# KiCad board panel2.kicad_pcb (continued)
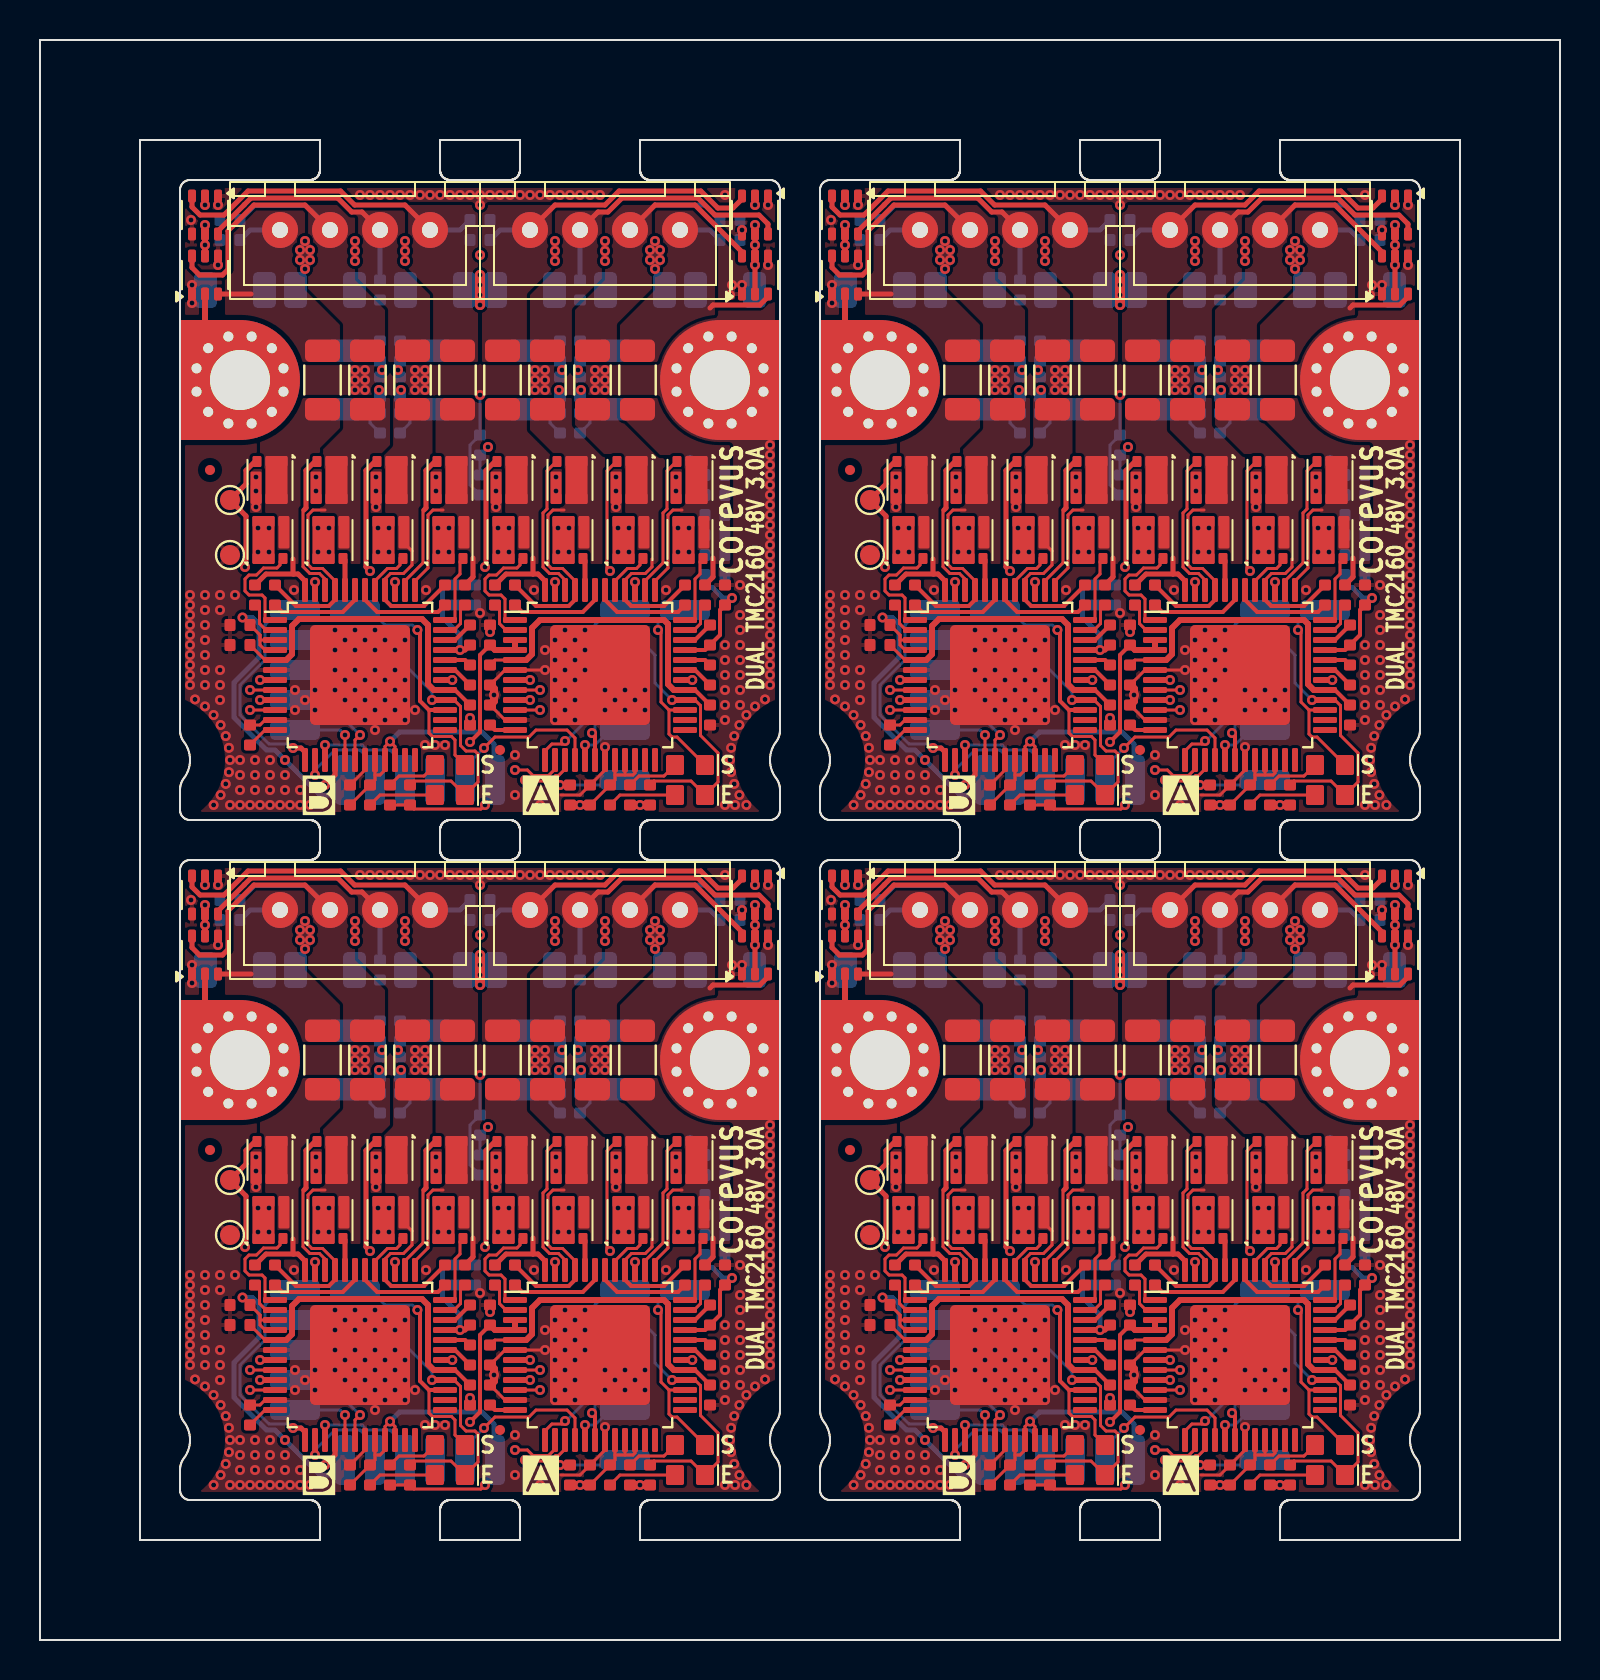
[diagram p0: board, top side]
## Routing (per net, layer and track width the routed paths; a pad name or vN(x,y) marks a point on that pad's centre or on a via; arc(x,y) is an arc through that point) (continued)
Board_2-/_{MB}LA1: length 7.2
  Top w0.25: 16.75,24.92 16.3,24.48 16.3,19.65 v1(16.5,19.45)
  In2.Cu w0.25: v1(16.5,19.45) 17.05,18.9 v1(17.75,18.9)
Board_2-/_{MB}LA2: length 6.6
  Top w0.15: 18.25,18.96 19.15,19.86 19.15,22.5
  Top w0.25: 19.75,24.92 19.3,24.48 19.3,22.6 19.2,22.5
Board_2-/_{MB}LB1: length 10.8
  Top w0.25: v1(10.25,19.65) 10.3,19.7 10.3,22.2 TP5#3.1 10.3,23.8 10.3,24.48 10.75,24.93
  In2.Cu w0.25: v1(13.75,18.9) 13.75,18.75 12.95,17.95 11.95,17.95 v1(10.25,19.65)
Board_2-/_{MB}LB2: length 7.4
  Top w0.15: U2#3.46 14.25,19.05 13.97,19.33 13.49,19.33 13.15,19.67 13.15,22.5
  Top w0.25: 13.2,22.5 13.3,22.6 13.3,24.48 13.75,24.92
Board_2-/_{MB}SRAH: length 20.8
  Top w0.15: v1(10.5,13.5) U2#3.8
  In2.Cu w0.15: v1(18.05,28.5) 17.88,28.33 17.88,26.72 16,24.84 16,20.12 15.75,19.5 15.75,18.1 11.15,13.5 v1(10.5,13.5)
  Bottom w0.3: C41#3.2 R19#3.2
  Bottom w0.4: v1(18.05,28.5) 18.05,28.2
Board_2-/_{MB}SRAL: length 19.4
  In2.Cu w0.15: v1(11,14) 11.29,14 15.5,18.21 15.5,19.62 15.75,20.25 15.75,24.95 17.62,26.82 17.62,29.22 v1(17.9,29.5)
  Bottom w0.4: C41#3.1 17.9,29.25 v1(17.9,29.5) 17.9,29.85 R21#3.2
Board_2-/_{MB}SRBH: length 22.9
  In2.Cu w0.15: v1(11,13) 11,12.25 10.75,12 10.25,12 9.75,12.5 9.75,13.85 10.65,14.75 11.34,14.75 15,18.41 15,19.88 15.25,20.5 15.25,25.15 17.12,27.03 17.12,28.33 v1(16.95,28.5)
  Bottom w0.3: C33.2 R14.2
  Bottom w0.4: v1(16.95,28.5) 16.95,28.2
Board_2-/_{MB}SRBL: length 22.9
  Top w0.15: v1(10.5,12.5) U2#3.10
  In2.Cu w0.15: v1(17.1,29.5) 17.38,29.22 17.38,26.93 15.5,25.05 15.5,20.38 15.25,19.75 15.25,18.31 11.44,14.5 10.75,14.5 10,13.75 10,13 v1(10.5,12.5)
  Bottom w0.4: C33.1 17.1,29.25 v1(17.1,29.5) 17.1,29.85 R15#3.2
Board_2-/_{MB}Stall: length 11.9
  Top w0.15: 19.45,12.5 19.45,11.34 19.62,11.17 20.57,11.17 20.75,11 20.75,10.25 D6.1
  Top w0.2: v1(18.87,16.5) 19,16.37 19,12.95 19.45,12.5 U2#3.27
  Bottom w0.15: v1(18.87,16.5) 18.62,16.75 17.25,16.75 16.5,17.5
Board_2-/_{MB}Step: length 3.9
  Top w0.15: v1(15.25,11.25) U2#3.17
  Bottom w0.15: T15#2.1 15,11.5 v1(15.25,11.25)
Board_2-/_{MB}~{CS}: length 10.1
  Top w0.25: 13.25,10.4 13.05,10.6 v1(12.65,10.6)
  Bottom w0.15: 12,17.5 11.25,16.75 11.25,15 10,13.75 10,12.25 11.45,10.8 12.45,10.8 v1(12.65,10.6)
Board_2-/_{MB}~{En}: length 17.1
  Top w0.15: 20.71,13 21.03,12.68 21.03,10.72 21.3,10.45 21.75,10.45 21.9,10.3 21.9,8.9 D5#3.1 20.55,8.95 18.7,8.95 R4#4.2 ; U2#3.28 v1(19.6,13)
  Bottom w0.15: v1(19.6,13) 19.6,13.4 18,15 14.5,15 13.5,16
Board_2-/SCK: length 18.3
  Top w0.15: 25.75,9.54 25.43,9.22 24.64,9.22 24.37,9.5 v1(23.75,9.5)
  Top w0.25: v1(13.75,9.25) U2#3.14
  In2.Cu w0.15: v1(23.75,9.5) 23.25,9 21.25,9 20.5,8.25 14.1,8.25 13.75,8.6 v1(13.75,9.25)
  Bottom w0.15: 16.75,9.75 16,10.5 14.75,10.5 13.75,9.5 v1(13.75,9.25)
Board_2-/SDI: length 21.6
  Top w0.15: 26.25,9.54 25.93,9.22 25.78,9.22 25.51,8.95 24.3,8.95 v1(24.25,9)
  Top w0.25: v1(14.25,10.75) U2#3.15
  In2.Cu w0.15: v1(14.25,10.75) 13.25,9.75 13.25,9.15 13.5,8.9 13.5,8.5 14,8 20.6,8 21.35,8.75 23.35,8.75 23.6,9 v1(24.25,9)
  Bottom w0.15: 18.25,9.75 17.5,10.5 16.35,10.5 16.1,10.75 v1(14.25,10.75)
Board_2-/SDO: length 18.1
  Top w0.15: v1(22.2,10.6) 22.75,11.15 24.45,11.15 24.8,11.5 26.35,11.5 26.75,11.1 U1#3.16
  Top w0.25: v1(14.25,8.75) 14.75,9.25 U2#3.16
  In2.Cu w0.15: v1(22.2,10.6) 22.2,10.3 20.4,8.5 14.5,8.5 v1(14.25,8.75)
  Bottom w0.15: v1(22.2,10.6) 21.25,9.65
Board_2-/THERM: length 24.2
  Top w0.15: v1(26,8.75) R20#2.1
  In2.Cu w0.25: v1(22.4,25.65) 21.5,24.75 21.5,13.25 v1(26,8.75)
  Bottom w0.15: v1(26,8.75) 29,8.75 ; TH1.1 C13.1 v1(22.4,25.65)
Board_2-GND: length 73.1
  Top w0.15: C25#4.1 v1(21.5,12.1) ; 23.25,14.5 C4#4.1 ; 23.25,12 R3#4.2 ; R5#3.2 11,11.75 11.25,12 ; v1(25.25,14.5) 25.25,14.5 U1#3.6 ; C26#3.1 16.25,9.5 ; 28.25,9.5 C3#4.1 27,8.25 26.05,8.25
  Top w0.25: v1(8.9,34.75) D8#2.4 ; U1#3.19 28.25,10.65 v1(28.25,10.65)
  Top w0.3: v1(8.9,37.75) D7#2.1
  Top w0.4: C4#4.1 22.7,13.55 22.7,12.95 R3#4.2
  In2.Cu w0.1: 14.55,19.5 14.95,20.5 14.95,20.55 ; 16.05,19.5 16.25,20 ; 26.55,19.5 26.95,20.5 ; 28.05,19.5 28.25,20
  In2.Cu w0.15: v1(16.25,28.5) 16.88,27.88 16.88,27.13 15,25.26 15,20.6 14.95,20.55 ; 16.25,20 16.25,24.74 18.12,26.62 18.12,27.88 v1(18.75,28.5) ; v1(25.25,29.5) 25.75,30 27.25,30 v1(27.75,29.5) ; v1(27.75,28.5) 27.12,27.88 27.12,26.58 28.25,25.46 28.25,20 ; 26.95,20.5 27,20.55 27,24.94 25.88,26.06 25.88,27.88 v1(25.25,28.5) ; v1(16.25,29.5) 16.75,30 18.25,30 v1(18.75,29.5)
  In2.Cu w0.5: v1(36.5,19.25) v1(36.5,25.75) 36.5,26.5 H2.1
  Bottom w0.15: TH1.2 21.5,23.75 21.5,25.75 C13.2 v1(22,28.25)
  vias: v1(7.55,37) v1(7.5,18.25) v1(7.5,17.75) v1(7.5,17.25) v1(7.5,16.75) v1(7.5,16.25) v1(7.5,15.75) v1(7.5,15.25) v1(7.5,14.75) v1(7.5,14.25) v1(7.5,13.75) v1(7.6,33.75) v1(7.6,32.85) v1(7.75,13.03) v1(8.25,12.68) v1(8.25,18.25) v1(8.25,17.5) v1(8.25,16.75) v1(8.25,16) v1(8.25,15.25) v1(8.25,14.5) v1(8.25,13.75) v1(8.68,12.25) v1(8.68,7.75) v1(9,18.25) v1(9,17.5) v1(9,14.5) v1(9,13.75) v1(9,13) v1(9.03,11.75) v1(9.03,8.25) v1(9.29,11.2) v1(9.29,8.8) v1(9.45,10.61) v1(9.45,9.39) v1(9.5,10) v1(9.5,7.75) v1(9.75,18.25) v1(10,10) v1(10,9.25) v1(10,8.5) v1(10,7.75) v1(10.5,7.75) v1(10.75,10) v1(10.75,9.25) v1(10.75,8.5) v1(11,7.75) v1(11.5,10) v1(11.5,9.25) v1(11.5,8.5) v1(11.5,7.75) v1(12,7.75) v1(12.25,9.25) v1(12.25,8.5) v1(12.5,7.75) v1(12.7,18.5) v1(12.75,13.5) v1(12.75,12.5) v1(13,8.5) v1(13,7.75) v1(13.25,13) v1(13.5,7.75) v1(13.75,13.5) v1(13.75,12.5) v1(14.75,16.5) v1(14.75,15.5) v1(14.75,14.5) v1(14.75,13.5) v1(15.25,16) v1(15.25,14) v1(15.25,13) v1(15.75,35.95) v1(15.75,35.45) v1(15.75,34.95) v1(15.75,29.5) v1(15.75,29) v1(15.75,28.5) v1(15.75,16.5) v1(15.75,15.5) v1(15.75,14.5) v1(15.75,13.5) v1(15.75,12.5) v1(16,38.25) v1(16.25,29) v1(16.25,16) v1(16.25,14) v1(16.25,13) v1(16.25,12) v1(16.5,38.25) v1(16.75,16.5) v1(16.75,15.5) v1(16.75,14.5) v1(16.75,13.5) v1(16.75,12.5) v1(16.75,11.5) v1(17,38.25) v1(17.25,16) v1(17.25,14) v1(17.25,13) v1(17.25,12) v1(17.5,38.25) v1(17.75,15.5) v1(17.75,14.5) v1(17.75,13.5) v1(17.75,12.5) v1(18,38.25) v1(18.25,35.95) v1(18.25,35.45) v1(18.25,34.95) v1(18.25,16) v1(18.25,14) v1(18.25,13) v1(18.25,12) v1(18.5,38.25) v1(18.75,29) v1(18.75,12.5) v1(19,38.25) v1(19.25,29.5) v1(19.25,29) v1(19.25,28.5) v1(19.3,18.5) v1(19.25,10.75) v1(19.5,38.25) v1(19.75,10.75) v1(20,38.25) v1(20.25,10.75) v1(20.5,38.25) v1(20.61,14) v1(21,38.25) v1(21.5,38.25) v1(22,38.25) v1(22,37.75) v1(22,35.25) v1(22,17.35) v1(22.5,38.25) v1(22.5,16.4) v1(22.7,13.25) v1(23,38.25) v1(23.5,38.25) v1(23.75,10.25) v1(23.75,8.25) v1(24,38.25) v1(24.5,38.25) v1(24.75,29.5) v1(24.75,29) v1(24.75,28.5) v1(24.7,18.5) v1(25,38.25) v1(25,7.75) v1(25.25,29) v1(25.25,15.5) v1(25.5,38.25) v1(25.75,35.95) v1(25.75,35.45) v1(25.75,34.95) v1(25.75,16) v1(25.75,15) v1(25.75,14) v1(25.75,13) v1(25.75,12) v1(26,38.25) v1(26.25,16.5) v1(26.25,15.5) v1(26.25,14.5) v1(26.25,13.5) v1(26.25,12.5) v1(26.5,38.25) v1(26.75,16) v1(26.75,15) v1(26.75,14) v1(26.75,13) v1(26.75,12) v1(27,38.25) v1(27.25,16.5) v1(27.25,15.5) v1(27.25,14.5) v1(27.5,38.25) v1(27.75,29) v1(28,38.25) v1(28.25,35.95) v1(28.25,35.45) v1(28.25,34.95) v1(28.25,29.5) v1(28.25,29) v1(28.25,28.5) v1(28.25,13.5) v1(28.25,12.5) v1(28.75,13) v1(29.25,13.5) v1(29.25,12.5) v1(29.75,13) v1(30.25,13.5) v1(30.25,12.5) v1(31.3,18.5) v1(32.61,14) v1(34.25,38.25) v1(34.25,15.75) v1(34.25,15) v1(34.25,14.25) v1(34.25,13.5) v1(34.25,12.75) v1(34.25,12) v1(34.25,7.75) v1(34.5,33.25) v1(34.5,10) v1(34.6,33.75) v1(34.55,10.61) v1(34.55,9.39) v1(34.71,11.2) v1(34.71,8.8) v1(34.75,7.75) v1(35,18.75) v1(35,17.25) v1(35,16.5) v1(35,15.75) v1(35,15) v1(35,14.25) v1(35,13.5) v1(35,12.75) v1(34.97,11.75) v1(34.97,8.25) v1(35.1,36.5) v1(35.1,33.75) v1(35.32,12.25) v1(35.32,7.75) v1(35.75,12.68) v1(36.25,13.03) v1(36.4,37.75) v1(36.4,34.75) v1(36.5,25.25) v1(36.5,24.75) v1(36.5,24.25) v1(36.5,23.75) v1(36.5,23.25) v1(36.5,22.75) v1(36.5,22.25) v1(36.5,21.75) v1(36.5,21.25) v1(36.5,20.75) v1(36.5,20.25) v1(36.5,19.75) v1(36.5,18.75) v1(36.5,18.25) v1(36.5,17.75) v1(36.5,17.25) v1(36.5,16.75) v1(36.5,16.25) v1(36.5,15.75) v1(36.5,15.25) v1(36.5,14.75) v1(36.5,14.25) v1(36.5,13.75)
Board_2-Net-(D1-A): length 3.5
  Top w0.15: D1#3.2 29,8.25 R1.2
Board_2-Net-(D2-A): length 2.7
  Top w0.15: R16#2.2 29.95,9.2 31.2,9.2 D2#2.2
Board_2-Net-(D5-A): length 3.5
  Top w0.15: R6#4.2 17,8.25 D5#3.2
Board_2-Net-(D6-A): length 2.7
  Top w0.15: R7#4.2 17.95,9.2 19.2,9.2 D6.2
Board_2-Net-(NT1-Pad1): length 1.8
  Bottom w0.15: NT1.1 25.5,27.7 25.5,26.85 R8#3.1
Board_2-Net-(NT1-Pad2):
  vias: v1(22.8,24.15) v1(22.8,23.45) v1(22.8,22.65) v1(25.8,24.15) v1(25.8,23.45)
Board_2-Net-(NT2-Pad1): length 0.9
  Bottom w0.15: NT2#4.1 25.5,30.45 R9.1
Board_2-Net-(NT3-Pad1):
  vias: v1(28.8,24.15) v1(28.8,23.45) v1(28.8,22.65) v1(31.8,24.15) v1(31.8,23.45)
Board_2-Net-(NT3-Pad2): length 1.8
  Bottom w0.15: R11#4.1 27.5,26.85 27.5,27.7 NT3#3.2
Board_2-Net-(NT4-Pad2): length 0.9
  Bottom w0.15: NT4#4.2 27.5,30.45 R12#4.1
Board_2-Net-(NT5-Pad1): length 1.8
  Bottom w0.15: NT5#3.1 16.5,27.7 16.5,26.85 R14.1
Board_2-Net-(NT5-Pad2):
  vias: v1(10.8,24.15) v1(10.8,23.45) v1(10.8,22.65) v1(13.8,24.15) v1(13.8,23.45)
Board_2-Net-(NT6-Pad1): length 0.9
  Bottom w0.15: NT6#2.1 16.5,30.45 R15#3.1
Board_2-Net-(NT7-Pad1):
  vias: v1(16.8,24.15) v1(16.8,23.45) v1(16.8,22.65) v1(19.8,24.15) v1(19.8,23.45)
Board_2-Net-(NT7-Pad2): length 1.8
  Bottom w0.15: R19#3.1 18.5,26.85 18.5,27.7 NT7#3.2
Board_2-Net-(NT8-Pad2): length 0.9
  Bottom w0.15: R21#3.1 18.5,30.45 NT8#2.2
Board_2-Net-(U1-5VOUT): length 15.7
  Top w0.15: U1#3.5 22.75,15 C4#4.2
  Top w0.2: 32.75,13.5 C5#2.2
  Top w0.3: U1#3.5 24.31,15 24.6,15.29 24.6,16.6 25,17 31.2,17 31.4,16.8 31.4,13.79 31.69,13.5 U1#3.29
Board_2-Net-(U1-CA1): length 4.4
  Top w0.2: 28.25,18.01 28.86,17.4 31.9,17.4 C10#4.1
Board_2-Net-(U1-CA2): length 1.5
  Top w0.15: C11#3.1 33.03,17.53 33.03,16.82 32.71,16.5
Board_2-Net-(U1-CB1): length 1.5
  Top w0.15: 23.29,16.5 22.97,16.82 22.97,17.53 C8#2.1
Board_2-Net-(U1-CB2): length 4.4
  Top w0.2: C9#4.1 24.1,17.4 27.14,17.4 27.75,18.01
Board_2-Net-(U1-CLK): length 1.4
  Top w0.2: R3#4.1 22.75,11.5 U1#3.12
Board_2-Net-(U1-CPI): length 1.4
  Top w0.2: U1#3.32 33.25,15 C2.2
Board_2-Net-(U1-CPO): length 1.1
  Top w0.2: 32.75,14.5 C2.1
Board_2-Net-(U1-VCP): length 1.1
  Top w0.2: 32.75,16 33.53,16.78
Board_2-Net-(U2-5VOUT): length 15.5
  Top w0.15: 11.25,15 C24#2.2
  Top w0.2: 20.75,13.5 C25#4.2
  Top w0.3: U2#3.5 12.31,15 12.6,15.29 12.6,16.7 12.95,17.05 19.1,17.05 19.4,16.75 19.4,13.79 19.69,13.5 U2#3.29
Board_2-Net-(U2-CA1): length 4.4
  Top w0.2: 16.25,18.01 16.86,17.4 19.9,17.4 C31.1
Board_2-Net-(U2-CA2): length 1.5
  Top w0.15: 20.71,16.5 21.03,16.82 21.03,17.53 C32#3.1
Board_2-Net-(U2-CB1): length 1.5
  Top w0.15: C29#3.1 10.97,17.53 10.97,16.82 11.29,16.5
Board_2-Net-(U2-CB2): length 4.4
  Top w0.2: C30#4.1 12.1,17.4 15.14,17.4 15.75,18.01
Board_2-Net-(U2-CLK): length 1.1
  Top w0.15: R5#3.1 11.25,11.5
Board_2-Net-(U2-CPI): length 1.4
  Top w0.2: U2#3.32 21.25,15 C23#2.2
Board_2-Net-(U2-CPO): length 1.1
  Top w0.2: 20.75,14.5 C23#2.1
Board_2-Net-(U2-VCP): length 1.1
  Top w0.2: 20.75,16 C22#3.1
Board_2-VCC: length 34.8
  Top w0.15: U2#3.22 17.75,10.67 v1(17.5,10.92) 17.25,10.67 U2#3.21 ; 17.25,9.5 17,9.25 16.75,9.25 ; v1(22.25,7.75) 22.05,7.55 18.7,7.55 R4#4.1 R7#4.1 ; U1#3.21 29.25,9.25 ; 29.25,9.25 28.75,9.25 ; 29.25,9.25 29.65,9.25 29.75,9.35 U1#3.22 ; 28.75,9.25 28.75,9 R1.1 C3#4.2 v1(27,7.75) R20#2.2 ; 28.75,9.25 U1#3.20 ; U2#3.20 16.75,9.25 ; 16.75,9.25 16.75,9 R6#4.1 C26#3.2
  Top w0.4: R16#2.1 v1(30,7.75) R2.1 ; C3#4.2 R20#2.2
  In2.Cu w0.15: v1(22.25,7.75) 24.25,7.75 24.68,8.17 25.32,8.17 25.75,7.75 v1(27,7.75) v1(30,7.75)
  Bottom w0.15: v1(22.25,7.75) 22.75,8.25
  Bottom w0.25: 22.7,9.05 22.7,10.8 22.1,11.4 17.97,11.4 v1(17.5,10.92)
Board_3-+12V: length 36.4
  Top w0.15: 43,16.25 C27.1 v1(42.12,17.12) ; 43,16.25 43,15.75 43.25,15.5 ; 43,16.25 43,16 U2.3
  Top w0.2: C6#3.1 54,15.25 54,11.4 v1(53.5,10.9)
  Top w0.3: U1.3 U1.4 54.75,15.5 C6#3.1
  In2.Cu w0.25: v1(44.25,10) 44.75,10 46,11.25 46.5,11.25 46.75,11 46.75,9.25 47,9 52.25,9 53.5,10.25 v1(53.5,10.9)
  Bottom w0.25: v1(42.12,17.12) 42.62,17.12 42.95,16.8 42.95,15.12 41.7,13.87 41.7,12.13 43.33,10.5 43.75,10.5 v1(44.25,10) 46,8.25 47.25,8.25
Board_3-+48V: length 19.3
  Top w0.2: U1.33 65.25,15.5 66,16.25 66,17.5 v1(66.6,18.1)
  Top w0.25: v1(67.75,36.75) v1(67.75,35.75) v1(67.75,34.75) 67.75,33.55 ; C22#4.2 53.25,15.5 v1(53,15.5) U2.33 ; D3#3.2 v1(67.75,37.75)
  Top w0.3: D8#3.5 v1(40.25,35.75) v1(40.25,36.75) ; D8#3.2 40.25,31.5
  Top w0.5: v1(54,34.25) v1(54,32.75)
  Bottom w0.25: 52.12,18.75 52.12,17.12 53,16.25 v1(53,15.5) ; v1(66.6,18.1) 66.15,18.1 65.62,18.62 65.12,18.62
  vias: v1(40.25,37.75) v1(42.9,21.6) v1(42.9,20.4) v1(43.45,21.6) v1(43.45,20.4) v1(45,35.5) v1(45,35) v1(45.25,35.95) v1(45.25,34.55) v1(45.5,35.5) v1(45.5,35) v1(45.9,21.6) v1(45.9,20.4) v1(46.45,21.6) v1(46.45,20.4) v1(48.9,21.6) v1(48.9,20.4) v1(49.45,21.6) v1(49.45,20.4) v1(51.9,21.6) v1(51.9,20.4) v1(52.45,21.6) v1(52.45,20.4) v1(54,33.75) v1(54,33.25) v1(54.9,21.6) v1(54.9,20.4) v1(55.45,21.6) v1(55.45,20.4) v1(57.9,21.6) v1(57.9,20.4) v1(58.45,21.6) v1(58.45,20.4) v1(60.9,21.6) v1(60.9,20.4) v1(61.45,21.6) v1(61.45,20.4) v1(62.5,35.5) v1(62.5,35) v1(62.75,35.95) v1(62.75,34.55) v1(63,35.5) v1(63,35) v1(63.9,21.6) v1(63.9,20.4) v1(64.45,21.6) v1(64.45,20.4)
Board_3-/_{MA}A1: length 5.6
  Top w0.15: 61.25,19 61.57,19.33 62.27,19.33 62.6,19.66 62.6,20.05
  Top w0.2: 61.25,18.01 61.56,17.7 63.2,17.7 C10#2.2
Board_3-/_{MA}A1': length 12.6
  Top w0.25: D4#4.6 67.1,35.4 64.75,37.75 62.75,37.75 J1#4.3
  Bottom w0.25: C17#4.2 65.25,37.75 62.75,37.75 J1#4.3
Board_3-/_{MA}A2: length 5.9
  Top w0.15: 62.75,18.95 63.4,19.6 63.4,22.25 63.65,22.5 64.1,22.5
  Top w0.25: 65.65,20.1 65.65,19.15 C11#4.2
Board_3-/_{MA}A2': length 5.6
  Top w0.25: 68.4,33.4 68.4,33.16 67.99,32.75 65.65,32.75 65.5,32.6
  Bottom w0.25: J1#4.4 65.5,36.5 C16#3.2
Board_3-/_{MA}B1: length 3.7
  Top w0.25: 56.65,19.3 56.9,19.3 57.25,18.95 ; 56.65,19.3 55.3,19.3 C8#4.2 ; 56.65,19.3 56.65,20.1
Board_3-/_{MA}B1': length 14.3
  Top w0.25: J1#4.1 57.75,37.75 60.25,37.75 60.95,38.45 65.04,38.45 65.89,37.6 66.65,37.6 67.1,38.05 D3#3.3
  Bottom w0.25: J1#4.1 55,36.5 C19#2.2
Board_3-/_{MA}B2: length 8.6
  Top w0.15: 58.75,18.96 58.13,19.58 57.58,19.58 57.4,19.75 57.4,22.25 57.65,22.5 58.2,22.5
  Top w0.2: C9#2.2 56.8,17.7 58.44,17.7 58.75,18.01
Board_3-/_{MA}B2': length 13.1
  Top w0.25: D3#3.6 68.4,36.8 67.95,37.25 65.74,37.25 64.89,38.1 61.1,38.1 60.4,37.4 59.9,37.4 J1#4.2
  Bottom w0.25: C18.2 59,36
Board_3-/_{MA}Dir: length 4.9
  Top w0.2: v1(59.6,11.35) 59.75,11.2 U1.18
  Bottom w0.15: v1(59.6,11.35) 59.75,11.5 59.75,13.75 60.5,14.5
Board_3-/_{MA}HA1: length 1.8
  Top w0.15: 60.75,18.96 61.37,19.58 61.82,19.58 62,19.75 62,19.92
Board_3-/_{MA}HA2: length 3
  Top w0.15: 64.75,17 64.75,19.05 65,19.3 65,19.92
Board_3-/_{MA}HB1: length 5.2
  Top w0.15: 55.25,17 55.25,18.05 55.05,18.25 54.45,18.25 54.25,18.45 54.25,19.05 54.45,19.25 54.83,19.25 55.18,19.6 55.85,19.6 56,19.75 56,20.05
Board_3-/_{MA}HB2: length 1.5
  Top w0.25: 59.25,19.97 U1.44
Board_3-/_{MA}LA1: length 7.2
  Top w0.15: v1(60.5,19.45) 60.35,19.6 60.35,24.46 60.82,24.92
  In2.Cu w0.25: v1(61.75,18.9) 61.05,18.9 v1(60.5,19.45)
Board_3-/_{MA}LA2: length 6.6
  Top w0.15: 62.25,18.96 63.15,19.86 63.15,22.35 63.35,22.55 63.35,24.46 63.82,24.92
Board_3-/_{MA}LB1: length 10.2
  Top w0.25: v1(54.25,19.65) 54.3,19.7 54.3,24.48 54.75,24.92
  In2.Cu w0.25: v1(54.25,19.65) 55.95,17.95 56.95,17.95 57.75,18.75 v1(57.75,18.9)
Board_3-/_{MA}LB2: length 6.9
  Top w0.15: 58.25,19 57.93,19.33 57.47,19.33 57.15,19.65 57.15,22.35 57.35,22.55 57.35,24.46 57.82,24.92
Board_3-/_{MA}SRAH: length 19.6
  Top w0.15: U1.8 v1(57,13.5)
  In2.Cu w0.15: v1(57,13.5) 57,14.1 56.5,14.6 56.5,15.5 59.75,18.75 59.75,19.5 60,20.12 60,25.35 58.88,26.48 58.88,28.33 v1(59.05,28.5)
  Bottom w0.4: v1(59.05,28.5) 59,28.45 C21#3.2 R11.2
Board_3-/_{MA}SRAL: length 19.2
  Top w0.15: U1.7 v1(56.5,14)
  In2.Cu w0.15: v1(58.9,29.5) 58.62,29.22 58.62,26.38 59.75,25.25 59.75,20.25 59.5,19.62 59.5,18.85 56.25,15.6 56.25,14.25 v1(56.5,14)
  Bottom w0.4: R12#2.2 58.9,29.85 58.9,29.25 C21#3.1
Board_3-/_{MA}SRBH: length 23.1
  Top w0.15: U1.9 v1(56.5,13)
  In2.Cu w0.15: v1(57.95,28.5) 58.12,28.33 58.12,26.17 59.25,25.04 59.25,20.5 59,19.88 59,19.06 55.75,15.81 55.75,12.8 56.55,12 57.12,12 57.43,12.3 57.43,12.7 57.12,13 v1(56.5,13)
  Bottom w0.4: R8#4.2 C20#3.2 58,28.45 v1(57.95,28.5)
Board_3-/_{MA}SRBL: length 21.9
  Top w0.15: U1.10 v1(57,12.5)
  In2.Cu w0.15: v1(58.1,29.5) 58.38,29.22 58.38,26.27 59.5,25.15 59.5,20.38 59.25,19.75 59.25,18.96 56,15.71 56,12.9 56.4,12.5 v1(57,12.5)
  Bottom w0.4: R9#2.2 58.1,29.85 58.1,29.25 C20#3.1
Board_3-/_{MA}Stall: length 9.9
  Top w0.15: D2#4.1 63.85,11.15 63.6,11.15 63.45,11.3 63.45,12.5 ; U1.27 63.45,12.5 ; 63.45,12.5 63.05,12.9 63.05,16.35 v1(62.9,16.5)
  Bottom w0.15: v1(62.9,16.5) 62.9,16.9 63.5,17.5
Board_3-/_{MA}Step: length 2.3
  Top w0.2: U1.17 v1(59.25,10.75)
  Bottom w0.15: 60.5,11.5 59.75,10.75 v1(59.25,10.75)
Board_3-/_{MA}~{CS}: length 8.7
  Top w0.15: v1(58.25,10.95) 58.1,10.8 57.59,10.8 57.25,10.46
  Bottom w0.15: v1(58.25,10.95) 58.3,10.95 59.5,12.15 59.5,13.85 59.75,14.1 59.75,16.75 60.5,17.5
Board_3-/_{MA}~{En}: length 12.9
  Top w0.15: U1.28 v1(63.6,13) ; R2#4.2 62.7,8.95 64.55,8.95 D1.1 65.9,8.9 65.9,10.35 65.03,11.22 65.03,12.72 64.75,13
  Bottom w0.15: v1(63.6,13) 62.75,13.85 62.75,15.25 62.05,15.95
Board_3-/_{MB}A1: length 7
  Top w0.15: 50.2,20.85 50.6,20.45 50.6,19.75 50.18,19.33 49.53,19.33 49.25,19.05 U2.40
  Top w0.2: 49.25,18.01 49.56,17.7 51.2,17.7 C31#2.2
Board_3-/_{MB}A1': length 11.4
  Top w0.25: 40.9,36.45 42.55,38.1 46.88,38.1 47.58,37.4 48.1,37.4 J2#3.3
  Bottom w0.25: C35#4.2 49,36
Board_3-/_{MB}A2: length 5.9
  Top w0.15: 50.75,18.95 51.4,19.6 51.4,22.25 51.65,22.5 52.15,22.5
  Top w0.25: 53.65,20.1 53.65,19.15 C32#2.2
Board_3-/_{MB}A2': length 16.1
  Top w0.25: J2#3.4 50.25,37.75 47.73,37.75 47.03,38.45 42.4,38.45 41.2,37.25 40,37.25 39.6,37.65 D7#4.3
  Bottom w0.25: J2#3.4 53,36.5 C34.2
Board_3-/_{MB}B1: length 3.6
  Top w0.25: 44.65,19.3 44.65,20.05 ; C29#2.2 43.3,19.3 44.9,19.3 45.25,18.95
Board_3-/_{MB}B1': length 3.9
  Top w0.25: D8#3.3 42.55,33.3
  Bottom w0.25: C37#4.2 42.5,36.5 J2#3.1
Board_3-/_{MB}B2: length 8.7
  Top w0.15: 46.25,22.5 45.65,22.5 45.4,22.25 45.4,19.77 45.6,19.58 46.13,19.58 46.75,18.96
  Top w0.2: 46.75,18.01 46.44,17.7 44.8,17.7 C30.2
Board_3-/_{MB}B2': length 16
  Top w0.25: D8#3.6 39.6,34.62 39.97,34.25 41.12,34.25 41.4,34.53 41.4,36.46 42.69,37.75 45.25,37.75 J2#3.2
  Bottom w0.25: C36#4.2 42.72,37.73 45.28,37.73 J2#3.2
Board_3-/_{MB}Dir: length 5.6
  Top w0.15: U2.18 47.75,11 v1(48,11.25)
  Bottom w0.15: v1(48,11.25) 46.25,13 46.25,13.75 45.5,14.5
Board_3-/_{MB}HA1: length 1.9
  Top w0.15: 50,20.1 50,19.75 49.82,19.58 49.37,19.58 48.75,18.96
Board_3-/_{MB}HA2: length 3
  Top w0.15: 53,19.92 53,19.3 52.75,19.05 52.75,17
Board_3-/_{MB}HB1: length 5.1
  Top w0.15: 44,19.93 44,19.75 43.85,19.6 43.18,19.6 42.83,19.25 42.45,19.25 42.25,19.05 42.25,18.45 42.45,18.25 43.1,18.25 43.25,18.1 43.25,17
Board_3-/_{MB}HB2: length 1.5
  Top w0.25: U2.44 47.25,20
Board_3-/_{MB}LA1: length 7.2
  Top w0.25: 48.75,24.92 48.3,24.48 48.3,19.65 v1(48.5,19.45)
  In2.Cu w0.25: v1(48.5,19.45) 49.05,18.9 v1(49.75,18.9)
Board_3-/_{MB}LA2: length 6.6
  Top w0.15: 50.25,18.96 51.15,19.86 51.15,22.5
  Top w0.25: 51.75,24.92 51.3,24.48 51.3,22.6 51.2,22.5
Board_3-/_{MB}LB1: length 10.8
  Top w0.25: 42.75,24.93 42.3,24.48 42.3,23.8 TP5.1 42.3,22.2 42.3,19.7 v1(42.25,19.65)
  In2.Cu w0.25: v1(45.75,18.9) 45.75,18.75 44.95,17.95 43.95,17.95 v1(42.25,19.65)
Board_3-/_{MB}LB2: length 7.4
  Top w0.15: 45.15,22.5 45.15,19.67 45.49,19.33 45.97,19.33 46.25,19.05 U2.46
  Top w0.25: 45.75,24.92 45.3,24.48 45.3,22.6 45.2,22.5
Board_3-/_{MB}SRAH: length 20.8
  Top w0.15: v1(42.5,13.5) U2.8
  In2.Cu w0.15: v1(50.05,28.5) 49.88,28.33 49.88,26.72 48,24.84 48,20.12 47.75,19.5 47.75,18.1 43.15,13.5 v1(42.5,13.5)
  Bottom w0.3: C41.2 R19.2
  Bottom w0.4: v1(50.05,28.5) 50.05,28.2
Board_3-/_{MB}SRAL: length 19.4
  In2.Cu w0.15: v1(43,14) 43.29,14 47.5,18.21 47.5,19.62 47.75,20.25 47.75,24.95 49.62,26.82 49.62,29.22 v1(49.9,29.5)
  Bottom w0.4: C41.1 49.9,29.25 v1(49.9,29.5) 49.9,29.85 R21#4.2
Board_3-/_{MB}SRBH: length 22.9
  In2.Cu w0.15: v1(43,13) 43,12.25 42.75,12 42.25,12 41.75,12.5 41.75,13.85 42.65,14.75 43.34,14.75 47,18.41 47,19.88 47.25,20.5 47.25,25.15 49.12,27.03 49.12,28.33 v1(48.95,28.5)
  Bottom w0.3: C33#2.2 R14#3.2
  Bottom w0.4: v1(48.95,28.5) 48.95,28.2
Board_3-/_{MB}SRBL: length 22.9
  Top w0.15: v1(42.5,12.5) U2.10
  In2.Cu w0.15: v1(42.5,12.5) 42,13 42,13.75 42.75,14.5 43.44,14.5 47.25,18.31 47.25,19.75 47.5,20.38 47.5,25.05 49.38,26.93 49.38,29.22 v1(49.1,29.5)
  Bottom w0.4: R15.2 49.1,29.85 v1(49.1,29.5) 49.1,29.25 C33#2.1
Board_3-/_{MB}Stall: length 11.9
  Top w0.15: 51.45,12.5 51.45,11.34 51.62,11.17 52.57,11.17 52.75,11 52.75,10.25 D6#2.1
  Top w0.2: v1(50.87,16.5) 51,16.37 51,12.95 51.45,12.5 U2.27
  Bottom w0.15: 48.5,17.5 49.25,16.75 50.62,16.75 v1(50.87,16.5)
Board_3-/_{MB}Step: length 3.9
  Top w0.15: v1(47.25,11.25) U2.17
  Bottom w0.15: v1(47.25,11.25) 47,11.5 T15#3.1
Board_3-/_{MB}~{CS}: length 10.1
  Top w0.25: 45.25,10.4 45.05,10.6 v1(44.65,10.6)
  Bottom w0.15: 44,17.5 43.25,16.75 43.25,15 42,13.75 42,12.25 43.45,10.8 44.45,10.8 v1(44.65,10.6)
Board_3-/_{MB}~{En}: length 17.1
  Top w0.15: 52.71,13 53.03,12.68 53.03,10.72 53.3,10.45 53.75,10.45 53.9,10.3 53.9,8.9 D5#2.1 52.55,8.95 50.7,8.95 R4#2.2 ; U2.28 v1(51.6,13)
  Bottom w0.15: v1(51.6,13) 51.6,13.4 50,15 46.5,15 45.5,16
Board_3-/SCK: length 18.3
  Top w0.15: v1(55.75,9.5) 56.37,9.5 56.64,9.22 57.43,9.22 57.75,9.54
  Top w0.25: v1(45.75,9.25) U2.14
  In2.Cu w0.15: v1(55.75,9.5) 55.25,9 53.25,9 52.5,8.25 46.1,8.25 45.75,8.6 v1(45.75,9.25)
  Bottom w0.15: 48.75,9.75 48,10.5 46.75,10.5 45.75,9.5 v1(45.75,9.25)
Board_3-/SDI: length 21.6
  Top w0.15: 58.25,9.54 57.93,9.22 57.78,9.22 57.51,8.95 56.3,8.95 v1(56.25,9)
  Top w0.25: v1(46.25,10.75) U2.15
  In2.Cu w0.15: v1(56.25,9) 55.6,9 55.35,8.75 53.35,8.75 52.6,8 46,8 45.5,8.5 45.5,8.9 45.25,9.15 45.25,9.75 v1(46.25,10.75)
  Bottom w0.15: v1(46.25,10.75) 48.1,10.75 48.35,10.5 49.5,10.5 50.25,9.75
Board_3-/SDO: length 18.1
  Top w0.15: v1(54.2,10.6) 54.75,11.15 56.45,11.15 56.8,11.5 58.35,11.5 58.75,11.1 U1.16
  Top w0.25: v1(46.25,8.75) 46.75,9.25 U2.16
  In2.Cu w0.15: v1(46.25,8.75) 46.5,8.5 52.4,8.5 54.2,10.3 v1(54.2,10.6)
  Bottom w0.15: v1(54.2,10.6) 53.25,9.65
Board_3-/THERM: length 24.2
  Top w0.15: v1(58,8.75) R20#3.1
  In2.Cu w0.25: v1(54.4,25.65) 53.5,24.75 53.5,13.25 v1(58,8.75)
  Bottom w0.15: TH1#2.1 C13#2.1 v1(54.4,25.65) ; v1(58,8.75) 61,8.75
Board_3-GND: length 73.1
  Top w0.15: C25.1 v1(53.5,12.1) ; 60.25,9.5 C3#3.1 59,8.25 58.05,8.25 ; U1.6 57.25,14.5 v1(57.25,14.5) ; 55.25,14.5 C4#2.1 ; 55.25,12 R3#2.2 ; R5.2 43,11.75 43.25,12 ; C26.1 48.25,9.5
  Top w0.25: v1(60.25,10.65) 60.25,10.65 U1.19 ; v1(40.9,34.75) D8#3.4
  Top w0.3: v1(40.9,37.75) D7#4.1
  Top w0.4: C4#2.1 54.7,13.55 54.7,12.95 R3#2.2
  In2.Cu w0.1: 46.55,19.5 46.95,20.5 46.95,20.55 ; 48.05,19.5 48.25,20 ; 58.55,19.5 58.95,20.5 ; 60.05,19.5 60.25,20
  In2.Cu w0.15: 60.25,20 60.25,25.46 59.12,26.58 59.12,27.88 v1(59.75,28.5) ; 46.95,20.55 47,20.6 47,25.26 48.88,27.13 48.88,27.88 v1(48.25,28.5) ; v1(59.75,29.5) 59.25,30 57.75,30 v1(57.25,29.5) ; 58.95,20.5 59,20.55 59,24.94 57.88,26.06 57.88,27.88 v1(57.25,28.5) ; v1(50.75,29.5) 50.25,30 48.75,30 v1(48.25,29.5) ; 48.25,20 48.25,24.74 50.12,26.62 50.12,27.88 v1(50.75,28.5)
  In2.Cu w0.5: v1(68.5,19.25) v1(68.5,25.75) 68.5,26.5 H2#4.1
  Bottom w0.15: v1(54,28.25) C13#2.2 53.5,25.75 53.5,23.75 TH1#2.2
  vias: v1(39.5,18.25) v1(39.5,17.75) v1(39.5,17.25) v1(39.5,16.75) v1(39.5,16.25) v1(39.5,15.75) v1(39.5,15.25) v1(39.5,14.75) v1(39.5,14.25) v1(39.5,13.75) v1(39.55,37) v1(39.6,33.75) v1(39.6,32.85) v1(39.75,13.03) v1(40.25,12.68) v1(40.25,18.25) v1(40.25,17.5) v1(40.25,16.75) v1(40.25,16) v1(40.25,15.25) v1(40.25,14.5) v1(40.25,13.75) v1(40.68,12.25) v1(40.68,7.75) v1(41,18.25) v1(41,17.5) v1(41,14.5) v1(41,13.75) v1(41,13) v1(41.03,11.75) v1(41.03,8.25) v1(41.29,11.2) v1(41.29,8.8) v1(41.45,10.61) v1(41.45,9.39) v1(41.5,10) v1(41.5,7.75) v1(41.75,18.25) v1(42,10) v1(42,9.25) v1(42,8.5) v1(42,7.75) v1(42.5,7.75) v1(42.75,10) v1(42.75,9.25) v1(42.75,8.5) v1(43,7.75) v1(43.5,10) v1(43.5,9.25) v1(43.5,8.5) v1(43.5,7.75) v1(44,7.75) v1(44.25,9.25) v1(44.25,8.5) v1(44.5,7.75) v1(44.7,18.5) v1(44.75,13.5) v1(44.75,12.5) v1(45,8.5) v1(45,7.75) v1(45.25,13) v1(45.5,7.75) v1(45.75,13.5) v1(45.75,12.5) v1(46.75,16.5) v1(46.75,15.5) v1(46.75,14.5) v1(46.75,13.5) v1(47.25,16) v1(47.25,14) v1(47.25,13) v1(47.75,35.95) v1(47.75,35.45) v1(47.75,34.95) v1(47.75,29.5) v1(47.75,29) v1(47.75,28.5) v1(47.75,16.5) v1(47.75,15.5) v1(47.75,14.5) v1(47.75,13.5) v1(47.75,12.5) v1(48,38.25) v1(48.25,29) v1(48.25,16) v1(48.25,14) v1(48.25,13) v1(48.25,12) v1(48.5,38.25) v1(48.75,16.5) v1(48.75,15.5) v1(48.75,14.5) v1(48.75,13.5) v1(48.75,12.5) v1(48.75,11.5) v1(49,38.25) v1(49.25,16) v1(49.25,14) v1(49.25,13) v1(49.25,12) v1(49.5,38.25) v1(49.75,15.5) v1(49.75,14.5) v1(49.75,13.5) v1(49.75,12.5) v1(50,38.25) v1(50.25,35.95) v1(50.25,35.45) v1(50.25,34.95) v1(50.25,16) v1(50.25,14) v1(50.25,13) v1(50.25,12) v1(50.5,38.25) v1(50.75,29) v1(50.75,12.5) v1(51,38.25) v1(51.25,29.5) v1(51.25,29) v1(51.25,28.5) v1(51.3,18.5) v1(51.25,10.75) v1(51.5,38.25) v1(51.75,10.75) v1(52,38.25) v1(52.25,10.75) v1(52.5,38.25) v1(52.61,14) v1(53,38.25) v1(53.5,38.25) v1(54,38.25) v1(54,37.75) v1(54,35.25) v1(54,17.35) v1(54.5,38.25) v1(54.5,16.4) v1(54.7,13.25) v1(55,38.25) v1(55.5,38.25) v1(55.75,10.25) v1(55.75,8.25) v1(56,38.25) v1(56.5,38.25) v1(56.75,29.5) v1(56.75,29) v1(56.75,28.5) v1(56.7,18.5) v1(57,38.25) v1(57,7.75) v1(57.25,29) v1(57.25,15.5) v1(57.5,38.25) v1(57.75,35.95) v1(57.75,35.45) v1(57.75,34.95) v1(57.75,16) v1(57.75,15) v1(57.75,14) v1(57.75,13) v1(57.75,12) v1(58,38.25) v1(58.25,16.5) v1(58.25,15.5) v1(58.25,14.5) v1(58.25,13.5) v1(58.25,12.5) v1(58.5,38.25) v1(58.75,16) v1(58.75,15) v1(58.75,14) v1(58.75,13) v1(58.75,12) v1(59,38.25) v1(59.25,16.5) v1(59.25,15.5) v1(59.25,14.5) v1(59.5,38.25) v1(59.75,29) v1(60,38.25) v1(60.25,35.95) v1(60.25,35.45) v1(60.25,34.95) v1(60.25,29.5) v1(60.25,29) v1(60.25,28.5) v1(60.25,13.5) v1(60.25,12.5) v1(60.75,13) v1(61.25,13.5) v1(61.25,12.5) v1(61.75,13) v1(62.25,13.5) v1(62.25,12.5) v1(63.3,18.5) v1(64.61,14) v1(66.25,38.25) v1(66.25,15.75) v1(66.25,15) v1(66.25,14.25) v1(66.25,13.5) v1(66.25,12.75) v1(66.25,12) v1(66.25,7.75) v1(66.5,33.25) v1(66.5,10) v1(66.6,33.75) v1(66.55,10.61) v1(66.55,9.39) v1(66.71,11.2) v1(66.71,8.8) v1(66.75,7.75) v1(67,18.75) v1(67,17.25) v1(67,16.5) v1(67,15.75) v1(67,15) v1(67,14.25) v1(67,13.5) v1(67,12.75) v1(66.97,11.75) v1(66.97,8.25) v1(67.1,36.5) v1(67.1,33.75) v1(67.32,12.25) v1(67.32,7.75) v1(67.75,12.68) v1(68.25,13.03) v1(68.4,37.75) v1(68.4,34.75) v1(68.5,25.25) v1(68.5,24.75) v1(68.5,24.25) v1(68.5,23.75) v1(68.5,23.25) v1(68.5,22.75) v1(68.5,22.25) v1(68.5,21.75) v1(68.5,21.25) v1(68.5,20.75) v1(68.5,20.25) v1(68.5,19.75) v1(68.5,18.75) v1(68.5,18.25) v1(68.5,17.75) v1(68.5,17.25) v1(68.5,16.75) v1(68.5,16.25) v1(68.5,15.75) v1(68.5,15.25) v1(68.5,14.75) v1(68.5,14.25) v1(68.5,13.75)